# KiCad board leverless_controller_3board.kicad_pcb
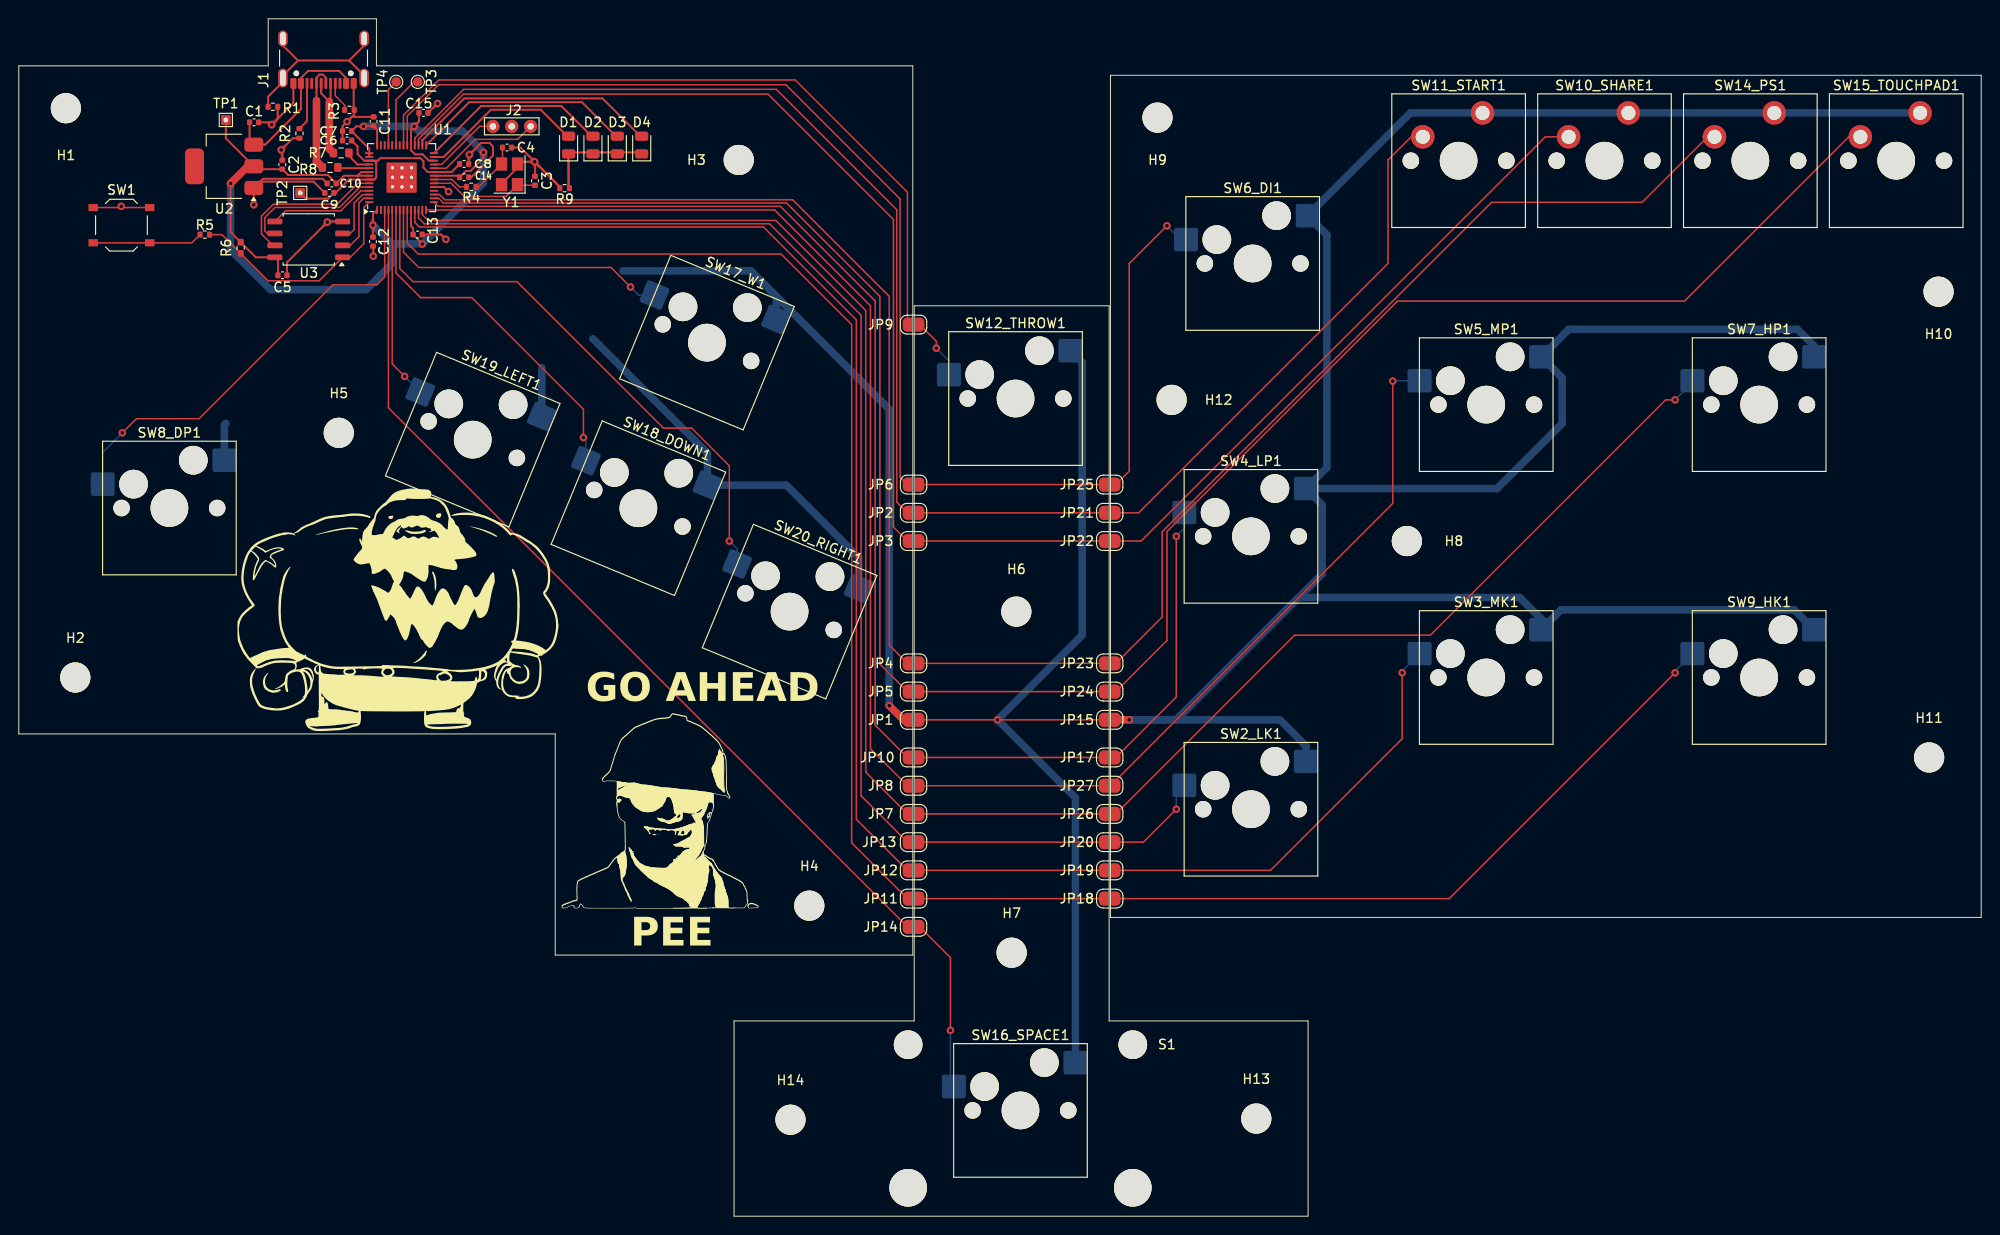
[diagram p0: board, top side]
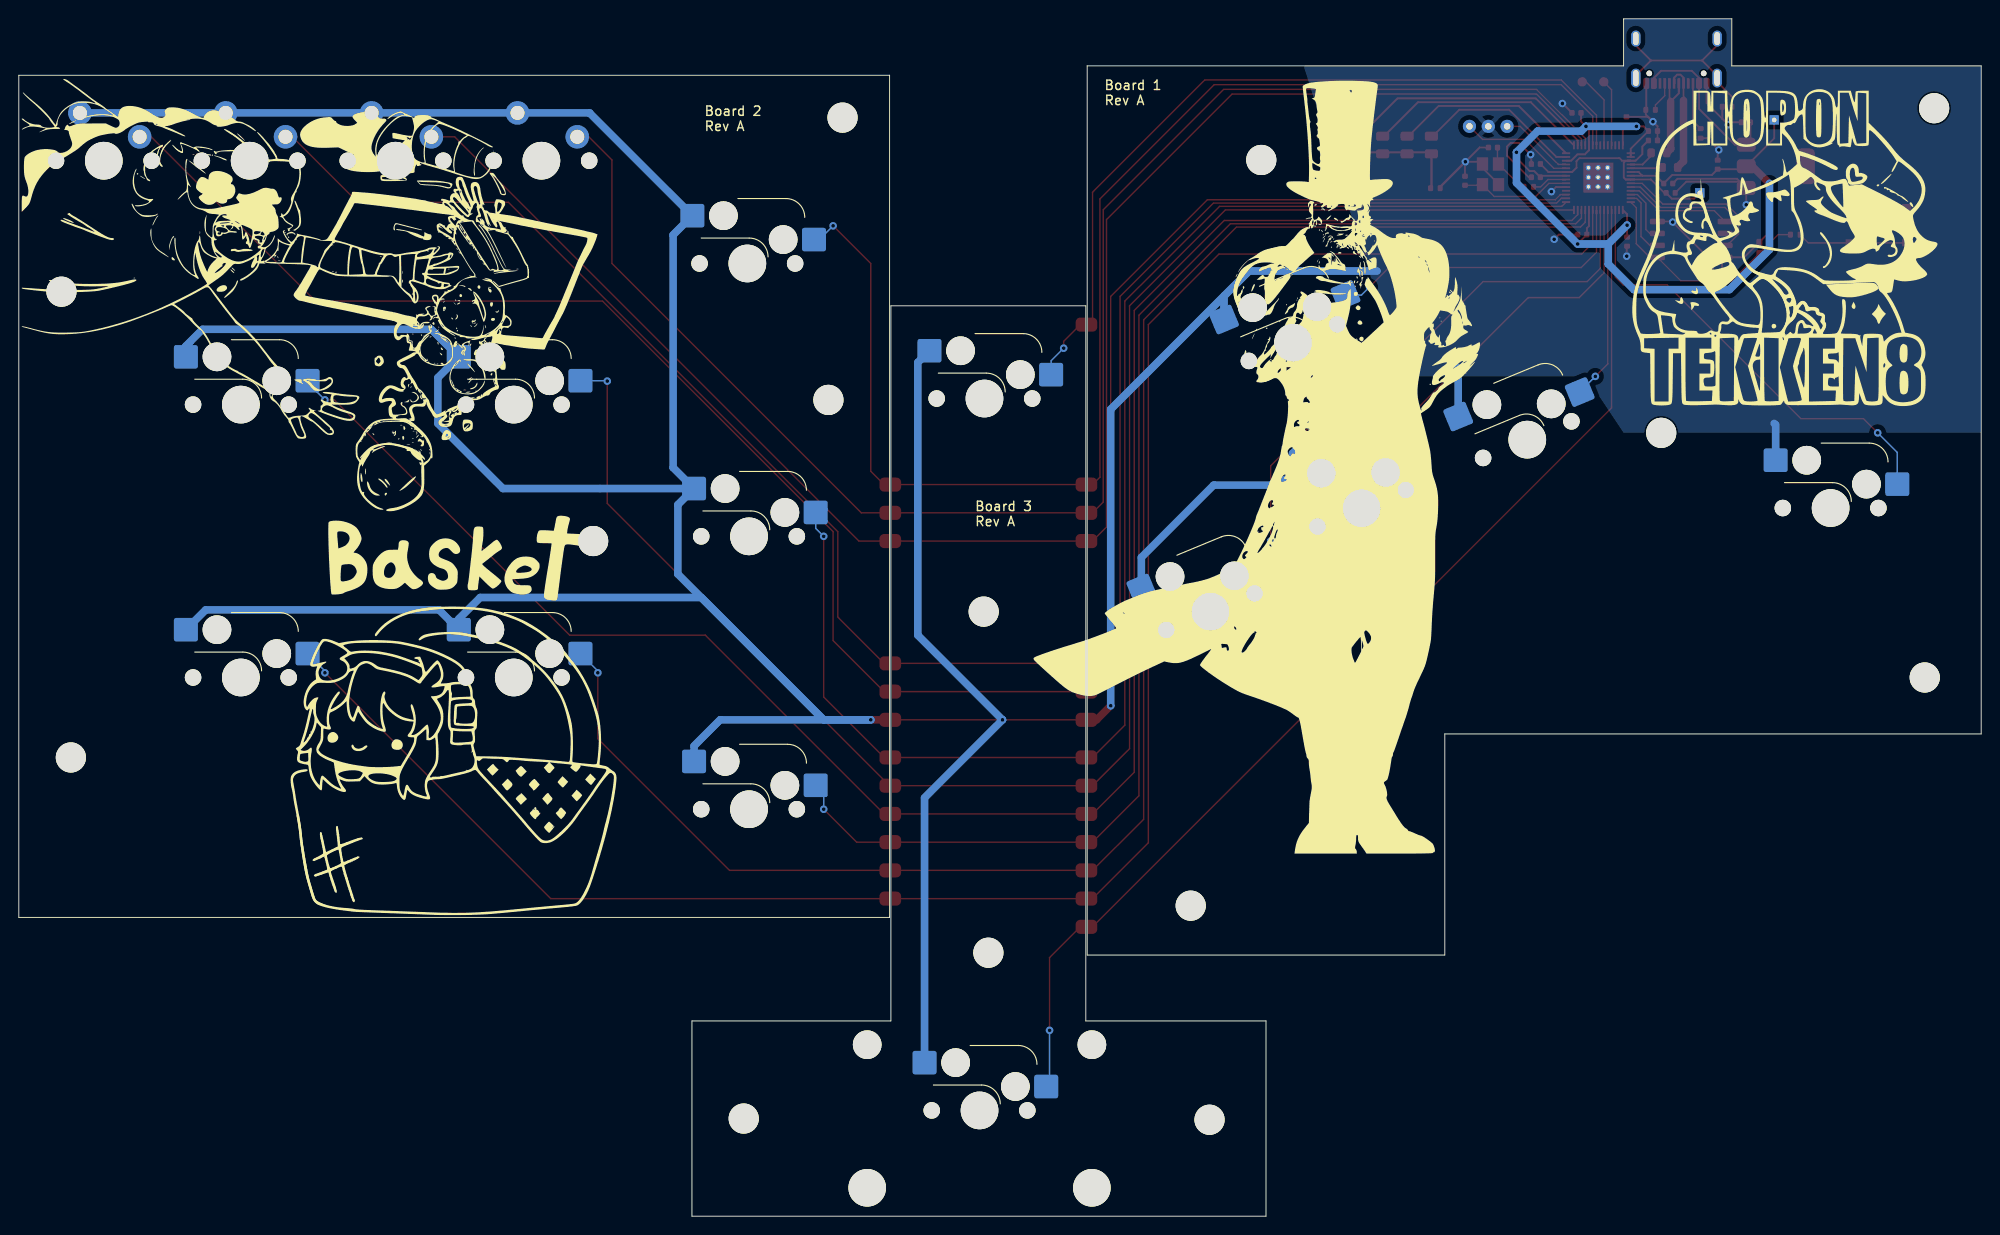
[diagram p1: board, bottom side, seen from below]

Outline 208.53 x 127.25 mm; copper layers: Top, Bottom. Coordinates in mm from the lower left corner of the outline.
Outline path: 0,122.25 0,51.25 57,51.25 57,27.75 95,27.75 95,122.25 38,122.25 38,127.25 26.5,127.25 26.5,122.25 0,122.25 ; 76,20.75 76,0 137,0 137,20.75 115.86,20.75 115.86,96.75 95.15,96.75 95.15,20.75 76,20.75 ; 116,121.25 116,31.75 208.53,31.75 208.53,121.25 116,121.25
Stack: Top 0.035mm / dielectric 1.51mm FR4 er 4.5 / Bottom 0.035mm

## Placement (name value [footprint] x y rotation side)
B1  -  [Board]  0.25 122.25 0 top
B2  -  [Board]  126 121.25 0 top
B3  -  [Board]  104.5 96.75 0 top
C1  10u  [C_0402_1005Metric]  25 116.25 0 top
C2  10u  [C_0402_1005Metric]  28 111.75 90 top
C3  15p  [C_0402_1005Metric]  54.85 110.04 270 top
C4  15p  [C_0402_1005Metric]  51.88 113.57 180 top
C5  100n  [C_0402_1005Metric]  28.02 100 0 top
C6  1u  [C_0402_1005Metric]  34.88 114.32 180 top
C7  1u  [C_0402_1005Metric]  34.88 115.32 180 top
C8  100n  [C_0402_1005Metric]  47.32 111.82 0 top
C9  100n  [C_0402_1005Metric]  33 108.75 180 top
C10  100n  [C_0402_1005Metric]  33.25 109.75 180 top
C11  100n  [C_0402_1005Metric]  37.7 116.35 90 top
C12  100n  [C_0402_1005Metric]  37.63 103.57 270 top
C13  100n  [C_0402_1005Metric]  42.38 104.32 0 top
C14  100n  [C_0402_1005Metric]  47.32 110.41 0 top
C15  100n  [C_0402_1005Metric]  43 117.25 0 top
D1  LED  [LED_0805_2012Metric]  58.42 113.84 90 top
D2  LED  [LED_0805_2012Metric]  61.01 113.84 90 top
D3  LED  [LED_0805_2012Metric]  63.6 113.84 90 top
D4  LED  [LED_0805_2012Metric]  66.19 113.84 90 top
H1  MountingHole  [MountingHole_3.2mm_M3]  5 117.75 0 top
H2  MountingHole  [MountingHole_3.2mm_M3]  6 57.25 0 top
H3  MountingHole  [MountingHole_3.2mm_M3]  76.5 112.25 180 top
H4  MountingHole  [MountingHole_3.2mm_M3]  84 33 0 top
H5  MountingHole  [MountingHole_3.2mm_M3]  34 83.25 0 top
H6  MountingHole  [MountingHole_3.2mm_M3]  106 64.25 270 top
H7  MountingHole  [MountingHole_3.2mm_M3]  105.5 28 0 top
H8  MountingHole  [MountingHole_3.2mm_M3]  147.5 71.75 0 top
H9  MountingHole  [MountingHole_3.2mm_M3]  121 116.75 0 top
H10  MountingHole  [MountingHole_3.2mm_M3]  204 98.25 0 top
H11  MountingHole  [MountingHole_3.2mm_M3]  203 48.75 0 top
H12  MountingHole  [MountingHole_3.2mm_M3]  122.5 86.75 0 top
H13  MountingHole  [MountingHole_3.2mm_M3]  131.5 10.38 0 top
H14  MountingHole  [MountingHole_3.2mm_M3]  82 10.25 0 top
J1  USB_C_Receptacle_USB2.0_14P  [USB_C_Receptacle_C6332272]  32.38 123.57 180 top
J2  Conn_01x03_Socket  [Debug_Points]  53.68 115.82 180 top
JP1  SolderJumper_2_Bridged  [EdgeSolderJumper-2_P1.3mm_Bridged_RoundedPad1.0x1.5mm]  95.08 52.75 0 top
JP2  SolderJumper_2_Bridged  [EdgeSolderJumper-2_P1.3mm_Bridged_RoundedPad1.0x1.5mm]  95.08 74.75 0 top
JP3  SolderJumper_2_Bridged  [EdgeSolderJumper-2_P1.3mm_Bridged_RoundedPad1.0x1.5mm]  95.08 71.75 0 top
JP4  SolderJumper_2_Bridged  [EdgeSolderJumper-2_P1.3mm_Bridged_RoundedPad1.0x1.5mm]  95.08 58.75 0 top
JP5  SolderJumper_2_Bridged  [EdgeSolderJumper-2_P1.3mm_Bridged_RoundedPad1.0x1.5mm]  95.08 55.75 0 top
JP6  SolderJumper_2_Bridged  [EdgeSolderJumper-2_P1.3mm_Bridged_RoundedPad1.0x1.5mm]  95.08 77.75 0 top
JP7  SolderJumper_2_Bridged  [EdgeSolderJumper-2_P1.3mm_Bridged_RoundedPad1.0x1.5mm]  95.08 42.75 0 top
JP8  SolderJumper_2_Bridged  [EdgeSolderJumper-2_P1.3mm_Bridged_RoundedPad1.0x1.5mm]  95.08 45.75 0 top
JP9  SolderJumper_2_Bridged  [EdgeSolderJumper-2_P1.3mm_Bridged_RoundedPad1.0x1.5mm]  95.08 94.75 0 top
JP10  SolderJumper_2_Bridged  [EdgeSolderJumper-2_P1.3mm_Bridged_RoundedPad1.0x1.5mm]  95.08 48.75 0 top
JP11  SolderJumper_2_Bridged  [EdgeSolderJumper-2_P1.3mm_Bridged_RoundedPad1.0x1.5mm]  95.08 33.75 0 top
JP12  SolderJumper_2_Bridged  [EdgeSolderJumper-2_P1.3mm_Bridged_RoundedPad1.0x1.5mm]  95.08 36.75 0 top
JP13  SolderJumper_2_Bridged  [EdgeSolderJumper-2_P1.3mm_Bridged_RoundedPad1.0x1.5mm]  95.08 39.75 0 top
JP14  SolderJumper_2_Bridged  [EdgeSolderJumper-2_P1.3mm_Bridged_RoundedPad1.0x1.5mm]  95.08 30.75 0 top
JP15  SolderJumper_2_Bridged  [EdgeSolderJumper-2_P1.3mm_Bridged_RoundedPad1.0x1.5mm]  115.93 52.75 0 top
JP17  SolderJumper_2_Bridged  [EdgeSolderJumper-2_P1.3mm_Bridged_RoundedPad1.0x1.5mm]  115.93 48.75 0 top
JP18  SolderJumper_2_Bridged  [EdgeSolderJumper-2_P1.3mm_Bridged_RoundedPad1.0x1.5mm]  115.93 33.75 0 top
JP19  SolderJumper_2_Bridged  [EdgeSolderJumper-2_P1.3mm_Bridged_RoundedPad1.0x1.5mm]  115.93 36.75 0 top
JP20  SolderJumper_2_Bridged  [EdgeSolderJumper-2_P1.3mm_Bridged_RoundedPad1.0x1.5mm]  115.93 39.75 0 top
JP21  SolderJumper_2_Bridged  [EdgeSolderJumper-2_P1.3mm_Bridged_RoundedPad1.0x1.5mm]  115.93 74.75 0 top
JP22  SolderJumper_2_Bridged  [EdgeSolderJumper-2_P1.3mm_Bridged_RoundedPad1.0x1.5mm]  115.93 71.75 0 top
JP23  SolderJumper_2_Bridged  [EdgeSolderJumper-2_P1.3mm_Bridged_RoundedPad1.0x1.5mm]  115.93 58.75 0 top
JP24  SolderJumper_2_Bridged  [EdgeSolderJumper-2_P1.3mm_Bridged_RoundedPad1.0x1.5mm]  115.93 55.75 0 top
JP25  SolderJumper_2_Bridged  [EdgeSolderJumper-2_P1.3mm_Bridged_RoundedPad1.0x1.5mm]  115.93 77.75 0 top
JP26  SolderJumper_2_Bridged  [EdgeSolderJumper-2_P1.3mm_Bridged_RoundedPad1.0x1.5mm]  115.93 42.75 0 top
JP27  SolderJumper_2_Bridged  [EdgeSolderJumper-2_P1.3mm_Bridged_RoundedPad1.0x1.5mm]  115.93 45.75 0 top
NOREF  -  [unnamed]  39.7 110.41 0 top
NOREF#2  -  [unnamed]  41.73 110.41 0 top
NOREF#3  -  [unnamed]  41.73 111.43 0 top
NOREF#4  -  [unnamed]  41.73 109.39 0 top
NOREF#5  -  [unnamed]  40.72 109.39 0 top
NOREF#6  -  [unnamed]  40.72 111.43 0 top
NOREF#7  -  [unnamed]  40.72 110.41 0 top
NOREF#8  -  [unnamed]  39.7 109.39 0 top
NOREF#9  -  [unnamed]  39.7 111.43 0 top
R1  1M  [R_0402_1005Metric]  27 117.9 0 top
R2  5.1K  [R_0402_1005Metric]  29.82 115.07 270 top
R3  5.1K  [R_0402_1005Metric]  35.13 117.57 0 top
R4  1K  [R_0402_1005Metric]  48.08 109.39 180 top
R5  1K  [R_0402_1005Metric]  19.76 104.31 0 top
R6  DNF  [R_0402_1005Metric_Pad0.72x0.64mm_HandSolder]  23.57 102.92 270 top  (not fitted)
R7  27  [R_0603_1608Metric]  34.25 113 0 top
R8  27  [R_0603_1608Metric]  33.08 111.45 0 top
R9  330  [R_0402_1005Metric]  58 109.25 180 top
S1  ~  [Stabilizer_Cherry_MX_2.00u]  106.44 11.24 0 top
SW1  Memory Reset  [SW_TS-1187A-C-A-B]  10.91 105.32 0 top
SW2_LK1  SW_Push  [SW_Hotswap_Kailh_MX]  130.93 43.25 0 top
SW3_MK1  SW_Push  [SW_Hotswap_Kailh_MX]  155.93 57.25 0 top
SW4_LP1  SW_Push  [SW_Hotswap_Kailh_MX]  130.93 72.25 0 top
SW5_MP1  SW_Push  [SW_Hotswap_Kailh_MX]  155.93 86.25 0 top
SW6_DI1  SW_Push  [SW_Hotswap_Kailh_MX]  131.11 101.25 0 top
SW7_HP1  SW_Push  [SW_Hotswap_Kailh_MX]  184.93 86.25 0 top
SW8_DP1  SW_Push  [SW_Hotswap_Kailh_MX]  16 75.26 0 top
SW9_HK1  SW_Push  [SW_Hotswap_Kailh_MX]  184.93 57.25 0 top
SW10_SHARE1  SW_Push  [SW_Cherry_MX_PCB]  168.5 112.17 0 top
SW11_START1  SW_Push  [SW_Cherry_MX_PCB]  153 112.17 0 top
SW12_THROW1  SW_Push  [SW_Hotswap_Kailh_MX]  105.92 86.9 0 top
SW14_PS1  SW_Push  [SW_Cherry_MX_PCB]  184 112.17 0 top
SW15_TOUCHPAD1  SW_Push  [SW_Cherry_MX_PCB]  199.5 112.17 0 top
SW16_SPACE1  SW_Push  [SW_Hotswap_Kailh_MX]  106.44 11.24 0 top
SW17_W1  SW_Push  [SW_Hotswap_Kailh_MX_1.00u]  73.12 92.84 337.5 top
SW18_DOWN1  SW_Push  [SW_Hotswap_Kailh_MX_1.00u]  65.83 75.24 337.5 top
SW19_LEFT1  SW_Push  [SW_Hotswap_Kailh_MX_1.00u]  48.23 82.53 337.5 top
SW20_RIGHT1  SW_Push  [SW_Hotswap_Kailh_MX_1.00u]  81.9 64.25 337.5 top
TP1  TestPoint  [TestPoint_THTPad_1.0x1.0mm_Drill0.5mm]  22 116.5 0 top
TP2  TestPoint  [TestPoint_THTPad_1.0x1.0mm_Drill0.5mm]  29.9 108.75 0 top
TP3  TestPoint  [TestPoint_Pad_D1.0mm]  42.4 120.55 270 top
TP4  TestPoint  [TestPoint_Pad_D1.0mm]  40.1 120.55 90 top
U1  RP2040  [QFN-56-1EP_7x7mm_P0.4mm_EP3.2x3.2mm]  40.68 110.37 90 top
U2  AMS1117-3.3_SOT223  [LDO_AMS1117-3.3]  21.82 111.57 180 top
U3  W25Q128JVSIQ  [SOIC-8_5.23x5.23mm_P1.27mm]  30.81 103.81 180 top
Y1  12 mhz crystal  [Crystal_SMD_3225-4Pin_3.2x2.5mm]  52.15 110.72 90 top

## Library data of the parts
C1 C2 = -: LCSC: C15525; ki_fp_filters: C_*
C3 C4 = -: LCSC: C1548; ki_fp_filters: C_*
C5 C8-C15 = -: LCSC: C1525; ki_fp_filters: C_*
C6 C7 = -: LCSC: C52923; ki_fp_filters: C_*
D1-D4 = -: Description: Light emitting diode; ki_fp_filters: LED* LED_SMD:* LED_THT:*
H1-H14 = -: Description: Mounting Hole without connection; ki_fp_filters: MountingHole*
J1 = -: Datasheet: https://www.usb.org/sites/default/files/documents/usb_type-c.zip; Description: USB 2.0-only 16P Type-C Receptacle connector; LCSC: C6332272; ki_fp_filters: USB*C*Receptacle*
J2 = -: ki_fp_filters: Connector*:*_1x??_*
JP1-JP15 JP17-JP27 = -: Description: Solder Jumper, 2-pole, closed/bridged; ki_fp_filters: SolderJumper*Bridged*
R1 = -: LCSC: C26083; ki_fp_filters: R_*
R2 R3 = -: LCSC: C25905; ki_fp_filters: R_*
R4 R5 = -: LCSC: C11702; ki_fp_filters: R_*
R6 = -: ki_fp_filters: R_*
R7 R8 = -: LCSC: C25190; ki_fp_filters: R_*
R9 = -: Description: Resistor; LCSC: C25104; ki_fp_filters: R_*
SW1 = -: Description: Push button switch, generic, two pins; LCSC: C318884
TP1-TP4 = -: Description: test point; ki_fp_filters: Pin* Test*
U1 = -: Datasheet: https://datasheets.raspberrypi.com/rp2040/rp2040-datasheet.pdf; LCSC: C2040; ki_fp_filters: QFN*1EP*7x7mm?P0.4mm*
U2 = -: Datasheet: http://www.onsemi.com/pub_link/Collateral/NCP1117-D.PDF; LCSC: C6186; ki_fp_filters: SOT?223*TabPin2*
U3 = -: Datasheet: http://www.winbond.com/resource-files/w25q32jv%20revg%2003272018%20plus.pdf; LCSC: C97521; ki_fp_filters: SOIC*5.23x5.23mm*P1.27mm*
Y1 = -: LCSC: C9002; ki_fp_filters: Crystal*

## Footprints (pads in the part's own frame, mm; a bottom-side part is the same pattern mirrored in y, then rotated)
C_0402_1005Metric
  rrect 0.56x0.62 smd: 1(-0.48,0) 2(0.48,0)
Crystal_SMD_3225-4Pin_3.2x2.5mm
  rect 1.4x1.2 smd: 1(-1.1,-0.85) 2(1.1,-0.85) 3(1.1,0.85) 4(-1.1,0.85)
Debug_Points
  round 1.4 hole 0.7: 1(-0.7,0) 2(1.3,0) 3(3.3,0)
EdgeSolderJumper-2_P1.3mm_Bridged_RoundedPad1.0x1.5mm
  custom 1x1.5 smd: 1(-0.65,0) 2(0.65,0)
LDO_AMS1117-3.3
  rrect 2x3.8 smd: (3.15,0)
  rrect 2x1.5 smd: 1(-3.15,2.3) 2(-3.15,0) 3(-3.15,-2.3)
LED_0805_2012Metric
  rrect 0.975x1.4 smd: 1(-0.938,0) 2(0.938,0)
MountingHole_3.2mm_M3
  round 3.2 hole 3.2 unplated: (0,0)
QFN-56-1EP_7x7mm_P0.4mm_EP3.2x3.2mm
  rrect 1.29x1.29 smd: (-0.8,0.8) (-0.8,-0.8) (0.8,0.8) (0.8,-0.8)
  rrect 0.875x0.2 smd: 1(-3.438,2.6) 2(-3.438,2.2) 3(-3.438,1.8) 4(-3.438,1.4) 5(-3.438,1) 6(-3.438,0.6) 7(-3.438,0.2) 8(-3.438,-0.2) 9(-3.438,-0.6) 10(-3.438,-1) 11(-3.438,-1.4) 12(-3.438,-1.8) 13(-3.438,-2.2) 14(-3.438,-2.6) 29(3.438,-2.6) 30(3.438,-2.2) 31(3.438,-1.8) 32(3.438,-1.4) 33(3.438,-1) 34(3.438,-0.6) 35(3.438,-0.2) 36(3.438,0.2) 37(3.438,0.6) 38(3.438,1) 39(3.438,1.4) 40(3.438,1.8) 41(3.438,2.2) 42(3.438,2.6)
  rrect 0.2x0.875 smd: 15(-2.6,-3.438) 16(-2.2,-3.438) 17(-1.8,-3.438) 18(-1.4,-3.438) 19(-1,-3.438) 20(-0.6,-3.438) 21(-0.2,-3.438) 22(0.2,-3.438) 23(0.6,-3.438) 24(1,-3.438) 25(1.4,-3.438) 26(1.8,-3.438) 27(2.2,-3.438) 28(2.6,-3.438) 43(2.6,3.438) 44(2.2,3.438) 45(1.8,3.438) 46(1.4,3.438) 47(1,3.438) 48(0.6,3.438) 49(0.2,3.438) 50(-0.2,3.438) 51(-0.6,3.438) 52(-1,3.438) 53(-1.4,3.438) 54(-1.8,3.438) 55(-2.2,3.438) 56(-2.6,3.438)
  rect 3.2x3.2 smd: 57(0,0)
R_0402_1005Metric
  rrect 0.54x0.64 smd: 1(-0.51,0) 2(0.51,0)
R_0402_1005Metric_Pad0.72x0.64mm_HandSolder
  rrect 0.715x0.64 smd: 1(-0.598,0) 2(0.598,0)
R_0603_1608Metric
  rrect 0.8x0.95 smd: 1(-0.825,0) 2(0.825,0)
SOIC-8_5.23x5.23mm_P1.27mm
  rrect 1.6x0.6 smd: 1(-3.6,1.905) 2(-3.6,0.635) 3(-3.6,-0.635) 4(-3.6,-1.905) 5(3.6,-1.905) 6(3.6,-0.635) 7(3.6,0.635) 8(3.6,1.905)
Stabilizer_Cherry_MX_2.00u
  round 3.048 hole 3.048 unplated: (-11.938,6.985) (11.938,6.985)
  round 3.988 hole 3.988 unplated: (-11.938,-8.225) (11.938,-8.225)
SW_Cherry_MX_PCB
  round 1.75 hole 1.75 unplated: (-5.08,0) (5.08,0)
  round 4 hole 4 unplated: (0,0)
  round 2.5 hole 1.5: 1(-3.81,2.54) 2(2.54,5.08)
SW_Hotswap_Kailh_MX
  round 1.75 hole 1.75 unplated: (-5.08,0) (5.08,0)
  round 3.05 hole 3.05 unplated: (-3.81,2.54) (2.54,5.08)
  round 4 hole 4 unplated: (0,0)
  rrect 2.55x2.5 smd far side: 1(-7.085,2.54) 2(5.842,5.08)
SW_Hotswap_Kailh_MX_1.00u
  round 1.75 hole 1.75 unplated: (-5.08,0) (5.08,0)
  round 3.05 hole 3.05 unplated: (-3.81,2.54) (2.54,5.08)
  round 4 hole 4 unplated: (0,0)
  rrect 2.55x2.5 smd far side: 1(-7.085,2.54) 2(5.842,5.08)
SW_TS-1187A-C-A-B
  rect 1x0.75 smd: 1(-3,1.875) 1(3,1.875) 2(-3,-1.875) 2(3,-1.875)
TestPoint_Pad_D1.0mm
  round 1 smd: 1(0,0)
TestPoint_THTPad_1.0x1.0mm_Drill0.5mm
  rect 1x1 hole 0.5: 1(0,0)
unnamed
  round 0.6 hole 0.35: 57(0,0)
USB_C_Receptacle_C6332272
  round 0.6 hole 0.6 unplated: (-2.89,2.115) (2.89,2.115)
  rrect 0.6x1.14 smd: A1(-3.2,3.185) A4(-2.4,3.185) A9(2.4,3.185) A12(3.2,3.185) B1(3.2,3.185) B4(2.4,3.185) B9(-2.4,3.185) B12(-3.2,3.185)
  rrect 0.3x1.14 smd: A5(-1.25,3.185) A6(-0.25,3.185) A7(0.25,3.185) A8(1.25,3.185) B5(1.75,3.185) B6(0.75,3.185) B7(-0.75,3.185) B8(-1.75,3.185)
  oval 1x2 hole 0.6x1.7: S1(-4.32,2.615) S1(4.32,2.615)
  oval 1x1.7 hole 0.6x1.4: S1(-4.32,-1.58) S1(4.32,-1.58)

## Nets
+1V1: C6.1 C8.1 C9.1 TP2.1 U1.23 U1.45 U1.50
+3.3V: C2.1 C5.1 C7.1 C10.1 C11.1 C12.1 C13.1 C14.1 C15.1 R6.1 TP1.1 U1.1 U1.10 U1.22 U1.26 U1.33 U1.42 U1.43 U1.44 U1.48 U1.49 U2.2 U3.8
GND: C1.2 C2.2 C3.1 C4.1 C5.2 C6.2 C7.2 C8.2 C9.2 C10.2 C11.2 C12.2 C13.2 C14.2 C15.2 J1.A1 J1.A12 J1.B1 J1.B12 J2.2 JP1.1 JP1.2 JP15.1 JP15.2 NOREF.57 NOREF#2.57 NOREF#3.57 NOREF#4.57 NOREF#5.57 NOREF#6.57 NOREF#7.57 NOREF#8.57 NOREF#9.57 R1.2 R2.2 R3.2 R9.2 SW1.1 SW2_LK1.2 SW3_MK1.2 SW4_LP1.2 SW5_MP1.2 SW6_DI1.2 SW7_HP1.2 SW8_DP1.2 SW9_HK1.2 SW10_SHARE1.2 SW11_START1.2 SW12_THROW1.2 SW14_PS1.2 SW15_TOUCHPAD1.2 SW16_SPACE1.2 SW17_W1.2 SW18_DOWN1.2 SW19_LEFT1.2 SW20_RIGHT1.2 U1.19 U1.57 U2.1 U3.4 Y1.2 Y1.4
VBUS: C1.1 J1.A4 J1.A9 J1.B4 J1.B9 U2.3
/Buttons/A1: JP23.2 SW14_PS1.1
/Buttons/A2: JP24.2 SW15_TOUCHPAD1.1
/Buttons/B1: JP20.2 SW2_LK1.1
/Buttons/B2: JP19.2 SW3_MK1.1
/Buttons/B3: JP17.2 SW4_LP1.1
/Buttons/B4: JP27.2 SW5_MP1.1
/Buttons/L1: JP25.2 SW6_DI1.1
/Buttons/L3: JP9.2 SW12_THROW1.1
/Buttons/R1: JP26.2 SW7_HP1.1
/Buttons/R2: JP18.2 SW9_HK1.1
/Buttons/S1: JP22.2 SW10_SHARE1.1
/Buttons/S2: JP21.2 SW11_START1.1
/Buttons/SPACE: JP14.2 SW16_SPACE1.1
/Main/A1: JP4.1 U1.17
/Main/A2: JP5.1 U1.16
/Main/B1: JP13.1 U1.12
/Main/B2: JP12.1 U1.11
/Main/B3: JP10.1 U1.15
/Main/B4: JP8.1 U1.14
/Main/D+: J1.A6 J1.B6 R8.1
/Main/D-: J1.A7 J1.B7 R7.1
/Main/L1: JP6.1 U1.34
/Main/L3: JP9.1 U1.35
/Main/P1: D1.2 U1.27
/Main/P2: D2.2 U1.28
/Main/P3: D3.2 U1.29
/Main/P4: D4.2 U1.30
/Main/QSPI_SCLK: U1.52 U3.6
/Main/QSPI_SD0: U1.53 U3.5
/Main/QSPI_SD1: U1.55 U3.2
/Main/QSPI_SD2: U1.54 U3.3
/Main/QSPI_SD3: U1.51 U3.7
/Main/QSPI_SS: R5.2 R6.2 U1.56 U3.1
/Main/R1: JP7.1 U1.13
/Main/R2: JP11.1 U1.9
/Main/S1: JP3.1 U1.31
/Main/S2: JP2.1 U1.32
/Main/SPACE: JP14.1 U1.4
/Main/SWCLK: J2.1 U1.24
/Main/SWDIO: J2.3 U1.25
/Main/XIN: C3.2 U1.20 Y1.1
/Main/XOUT: R4.2 U1.21
DOWN: SW18_DOWN1.1 U1.6
L2: SW8_DP1.1 U1.3
LEFT: SW19_LEFT1.1 U1.5
RIGHT: SW20_RIGHT1.1 U1.7
W: SW17_W1.1 U1.8
Net-(C4-Pad2): C4.2 R4.1 Y1.3
Net-(D1-K): D1.1 D2.1 D3.1 D4.1 R9.1
Net-(J1-CC1): J1.A5 R3.1
Net-(J1-CC2): J1.B5 R2.1
Net-(J1-SHIELD): J1.S1 R1.1
Net-(JP2-B): JP2.2 JP21.1
Net-(JP10-B): JP10.2 JP17.1
Net-(JP11-B): JP11.2 JP18.1
Net-(JP12-B): JP12.2 JP19.1
Net-(JP13-B): JP13.2 JP20.1
Net-(JP22-A): JP3.2 JP22.1
Net-(JP23-A): JP4.2 JP23.1
Net-(JP24-A): JP5.2 JP24.1
Net-(JP25-A): JP6.2 JP25.1
Net-(JP26-A): JP7.2 JP26.1
Net-(JP27-A): JP8.2 JP27.1
Net-(R5-Pad1): R5.1 SW1.2
Net-(U1-GPIO25): TP3.1 U1.37
Net-(U1-GPIO27_ADC1): TP4.1 U1.39
Net-(U1-USB_DM): R7.2 U1.46
Net-(U1-USB_DP): R8.2 U1.47

Pads without a net: J1 A8 B8; U1 2 18 36 38 40 41

## Via types
v1: diameter 0.8, hole 0.4, Top to Bottom, 35 vias

## Routing (per net, layer and track width the routed paths; a pad name or vN(x,y) marks a point on that pad's centre or on a via; arc(x,y) is an arc through that point)
+1V1: length 26
  Top w0.2: TP2.1 30.51,108.14 32.87,108.14 C9.1 33.67,108.75 35.09,110.17 U1.50 37.77,110.17 37.98,110.38 37.98,111.97 37.77,112.17 U1.45 ; U1.45 36.71,112.17 36,112.88 36,113.68 C6.1 ; U1.45 38.16,112.17 38.43,112.44 42.68,112.44 43,112.12 43,111.43 43.46,110.97 U1.23 45.99,110.97 C8.1
+3.3V: length 129.3
  Top w0.2: U2.2 22,114.54 TP1.1 ; U2.2 25.09,111.45 ; U2.2 25.33,111.57 25.63,111.27 C2.1 28.62,110.65 32.83,110.65 C10.1 34.55,110.57 36,110.57 ; 37.86,104.05 37.63,104.28 v1(37.63,105.32) 37.63,106.49 U1.1 ; C15.1 42.52,116.34 v1(42,115.82) 41.68,115.5 U1.33 41.68,113.28 42.11,112.84 42.91,112.84 43.58,112.17 U1.26 ; U1.42 38.08,115.47 37.7,115.85 C11.1 36.68,115.87 v1(36.63,115.82) 35.86,115.82 C7.1 37.24,113.44 U1.44 U1.43 ; 36,110.57 U1.49 ; 36,110.57 36.4,110.97 U1.48 ; v1(22.5,109.75) 22.5,104.59 R6.1 25.18,101.9 27.21,101.9 27.54,101.58 C5.1 ; v1(49.38,113.07) 49.38,112.46 47.99,111.07 47.5,111.07 C14.1 46.68,110.57 U1.22 ; v1(42.88,103.32) 42.88,103.34 C13.1 41.9,105 41.68,105.22 U1.10
  Top w0.3: 25.2,111.34 U2.2
  Top w0.8: U2.2 24.32,111.57 v1(22.5,109.75)
  Bottom w0.8: 39.63,103.32 39.63,101.2 36.91,98.47 26.75,98.47 22.5,102.72 v1(22.5,109.75) ; 39.63,103.32 v1(42.88,103.32) 49.38,109.82 v1(49.38,113.07) 47.13,115.32 42.5,115.32 v1(42,115.82) v1(36.63,115.82) ; 39.63,103.32 v1(37.63,105.32)
GND: length 621.2
  Top w0.15: JP1.2 JP15.1 ; SW1.1 10.76,107.19 v1(10.88,107.32) 11.01,107.19 SW1.1
  Top w0.2: 35.58,119.85 35.58,117.88 35.64,117.82 ; v1(44.5,118.25) 44.48,118.25 C15.2 ; C14.2 48.08,110.41 50.38,112.71 50.38,113.69 50.01,114.06 49.12,114.06 v1(47.88,112.82) 47.8,112.74 C8.2 ; C12.2 37.67,103.05 v1(37.67,102.03) ; v1(24.97,107.49) 24.97,109.27 U2.1 ; C13.2 44.88,104.32 v1(45.38,103.82) ; C11.2 35.39,116.83 v1(34.88,116.32) ; 51.3,109.52 Y1.4 51.3,109.72 53,111.42 Y1.2 53.24,112.06 v1(54.81,112.06) ; U2.1 25.95,110.25 32.27,110.25 C10.2 ; U2.1 25.65,109.95 31.32,109.95 C9.2 ; v1(26.87,116) 26.62,116.25 C1.2 ; v1(26.87,116) 27.51,116.64 R1.2 ; v1(26.87,116) 29.18,118.31 29.18,119.85 ; v1(54.81,112.06) 54.85,112.02 C3.1 ; v1(54.81,112.06) 53.3,113.57 C4.1 ; U1.19 45.18,109.37 v1(45.67,108.89) ; R3.2 35.64,117.08 v1(34.88,116.32) ; C2.2 28,113.2 v1(27.88,113.32) 29.12,114.56 R2.2 ; v1(34.88,116.32) 34.4,115.84 C7.2 C6.2 ; C5.2 28.5,101.37 v1(32.78,105.65) 32.84,105.71 U3.4
  Top w0.25: v1(54.81,112.06) 57.49,109.38 R9.2
  Top w0.8: U1.57 40.64,110.41 NOREF#7.57 40.72,110.33 ; v1(118,52.75) JP15.2 ; v1(92.5,54.25) 94,52.75 JP1.1
  Bottom w0.8: 61,93.25 73.18,81.07 SW18_DOWN1.2 81.56,77.69 89.25,70 SW20_RIGHT1.2 ; 123,52.75 v1(118,52.75) 134,52.75 136.78,49.97 SW2_LK1.2 ; 123,52.75 138.5,68.25 138.5,75.61 SW4_LP1.2 ; 123,52.75 136,65.75 159.5,65.75 161.78,63.47 SW3_MK1.2 163.88,64.44 188.67,64.44 SW9_HK1.2 ; SW17_W1.2 80.47,97.78 77.8,100.45 ; SW12_THROW1.2 113,90.73 113,61.75 v1(104,52.75) 112.28,44.47 SW16_SPACE1.2 ; 77.8,100.45 64.2,100.45 ; 77.8,100.45 92.5,85.75 v1(92.5,54.25) ; SW19_LEFT1.2 55.58,90.17 ; SW15_TOUCHPAD1.2 SW11_START1.2 147.88,117.25 SW6_DI1.2 139,104.29 139,79.55 SW4_LP1.2 ; SW7_HP1.2 190.78,92.47 189,94.25 164.7,94.25 SW5_MP1.2 164,89.11 164,84.25 157.08,77.33 SW4_LP1.2 ; 22,84.25 21.84,84.09 SW8_DP1.2
VBUS: length 19.4
  Top w0.2: 29.98,120.39 29.98,119.94 ; U2.3 24.52,114.32 C1.1 ; U2.3 25.3,114.2 ; U2.3 26.17,113.87 29.98,117.68 29.98,119.85 ; J1.A4 34.78,120.97 34.03,121.72 30.75,121.72 29.98,120.95 J1.A9 ; 34.78,119.94 34.78,120.5
/Buttons/A1: length 93.3
  Top w0.15: JP23.2 121.5,63.67 121.5,72.74 156.51,107.75 172.5,107.75 179.46,114.71 SW14_PS1.1 178.96,114.71
/Buttons/A2: length 110.3
  Top w0.15: SW15_TOUCHPAD1.1 194.46,114.71 177,97.25 146.5,97.25 122,72.75 122,61.17 JP24.2
/Buttons/B1: length 10.8
  Top w0.15: v1(123,43.25) 119.5,39.75 JP20.2
  Bottom w0.15: SW2_LK1.1 123,44.94 v1(123,43.25)
/Buttons/B2: length 46
  Top w0.15: v1(147,57.75) 147,50.75 133,36.75 JP19.2
  Bottom w0.15: v1(147,57.75) 147,57.94 SW3_MK1.1
/Buttons/B3: length 29.1
  Top w0.15: v1(123,72.25) 123,55.17 JP17.2
  Bottom w0.15: SW4_LP1.1 123.85,73.1 v1(123,72.25)
/Buttons/B4: length 58
  Top w0.15: JP27.2 116.57,46.33 146,75.75 v1(146,88.75)
  Bottom w0.15: SW5_MP1.1 146.04,88.79
/Buttons/L1: length 32.4
  Top w0.15: JP25.2 118,79.17 118,101.25 v1(122,105.25)
  Bottom w0.15: v1(122,105.25) 123.46,103.79 SW6_DI1.1
/Buttons/L3: length 6.6
  Top w0.15: JP9.2 97.5,92.98 v1(97.5,92.25)
  Bottom w0.15: v1(97.5,92.25) 98.83,90.92 SW12_THROW1.1
/Buttons/R1: length 81.1
  Top w0.15: v1(176,86.75) 175,86.75 150,61.75 135.57,61.75 JP26.2
  Bottom w0.15: 177.85,89.4 SW7_HP1.1 177.85,88.6 v1(176,86.75)
/Buttons/R2: length 72.2
  Top w0.15: v1(176,57.75) 152,33.75 JP18.2
  Bottom w0.15: SW9_HK1.1 176,57.94 v1(176,57.75)
/Buttons/S1: length 65.9
  Top w0.15: JP22.2 119.26,71.75 162.22,114.71 SW10_SHARE1.1
/Buttons/S2: length 55.6
  Top w0.15: JP21.2 119,74.75 145.5,101.25 145.5,112.25 147.96,114.71 SW11_START1.1
/Buttons/SPACE: length 18.5
  Top w0.15: JP14.2 99,27.48 v1(99,19.75)
  Bottom w0.15: v1(99,19.75) 99,14.13 SW16_SPACE1.1
/Main/A1: length 92.7
  Top w0.15: JP4.1 92.5,60.68 92.5,97.75 82.23,108.02 45.26,108.02 44.71,108.57 U1.17
/Main/A2: length 94.9
  Top w0.15: U1.16 44.61,108.17 45.12,107.67 81.58,107.67 91.5,97.75 91.5,58.68 JP5.1
/Main/B1: length 110.2
  Top w0.15: U1.12 42.48,106.08 43.09,105.47 79.78,105.47 89.5,95.75 89.5,44.68 JP13.1
/Main/B2: length 113.3
  Top w0.15: U1.11 42.08,105.62 42.58,105.12 79.13,105.12 89,95.25 89,42.18 JP12.1
/Main/B3: length 101.2
  Top w0.15: JP10.1 91,52.18 91,97.25 80.93,107.32 44.57,107.32 U1.15
/Main/B4: length 104.1
  Top w0.15: JP8.1 90.5,49.68 90.5,96.75 80.32,106.93 U1.14
/Main/D+: length 11.6
  Top w0.2: 31.63,118.57 31.63,121 31.95,121.32 32.31,121.32 32.63,121 32.63,120.37
  Top w0.8: 31.63,118.57 31.63,112.12 32.25,111.5
/Main/D-: length 10.4
  Top w0.2: 33.13,120.37 33.13,118.47 32.99,118.47 32.13,119.33 32.13,119.94 ; 32.13,119.47 32.13,120.37
  Top w0.8: R7.1 32.99,113.43 32.99,118.47
/Main/L1: length 92.6
  Top w0.15: U1.34 41.28,116.91 44.62,120.25 81.5,120.25 93.64,108.11 93.64,78.54 JP6.1
/Main/L3: length 77.3
  Top w0.15: U1.35 40.88,117 44.62,120.75 82.5,120.75 94.43,108.82 JP9.1
/Main/P1: length 17.6
  Top w0.2: U1.27 45.14,112.57 50.16,117.59 55.46,117.59 58.42,114.62
/Main/P2: length 20.4
  Top w0.2: U1.28 49.13,117.99 57.65,117.99 61.01,114.62
/Main/P3: length 23.8
  Top w0.2: U1.29 47.86,118.39 59.84,118.39 63.6,114.62
/Main/P4: length 27.4
  Top w0.2: U1.30 42.88,114.34 47.32,118.79 62.03,118.79 66.19,114.62
/Main/QSPI_SCLK: length 15
  Top w0.15: 27.21,104.44 26.41,104.44 26.14,104.72 26.14,106.12 27.22,107.2 34.08,107.2 36.24,109.37 U1.52
/Main/QSPI_SD0: length 11.4
  Top w0.15: U1.53 36.34,108.97 34.22,106.85 28.35,106.85 U3.5
/Main/QSPI_SD1: length 7
  Top w0.15: U3.2 35.21,103.17 36.14,104.11 36.14,107.69 36.63,108.17 U1.55
/Main/QSPI_SD2: length 6.2
  Top w0.15: 34.41,104.44 35.21,104.44 35.63,104.86 35.63,107.67 36.53,108.57 U1.54
/Main/QSPI_SD3: length 16.7
  Top w0.15: U1.51 36.04,109.77 33.82,107.55 27.06,107.55 25.78,106.27 25.78,104.39 27,103.17 U3.7
/Main/QSPI_SS: length 24.7
  Top w0.15: R5.2 21.58,104.31 R6.2 26.48,99.41 31.92,99.41 34.41,101.9 35.21,101.9 36.65,103.34 36.65,107.18 U1.56
/Main/R1: length 107.2
  Top w0.15: JP7.1 90,47.18 90,96.25 80.43,105.82 43.49,105.82 42.88,106.44 U1.13
/Main/R2: length 117.8
  Top w0.15: JP11.1 88.5,39.68 88.5,94.75 81,102.25 42.45,102.25 41.28,103.42 U1.9
/Main/S1: length 93.4
  Top w0.15: U1.31 42.48,114.47 47.25,119.25 79.61,119.25 92.94,105.92 92.94,73.24 JP3.1
/Main/S2: length 92.1
  Top w0.15: JP2.1 93.29,75.89 93.29,106.96 80.5,119.75 47.26,119.75 42.08,114.57 U1.32
/Main/SPACE: length 99.1
  Top w0.15: 39.28,86 U1.4 ; 39.28,86 39.28,85.97 ; 39.28,86 39.28,85.9 JP14.1
/Main/SWCLK: length 12.1
  Top w0.15: U1.24 45.43,111.37 48.5,114.44 53,114.44 J2.1
/Main/SWDIO: length 7.9
  Top w0.15: J2.3 48.97,115.82 44.92,111.77 U1.25
/Main/XIN: length 11.9
  Top w0.15: U1.20 45.94,109.77 47.34,108.37 51.75,108.37 Y1.1 53.18,109.62 53.24,109.56 C3.2
/Main/XOUT: length 3.8
  Top w0.15: U1.21 46.03,110.17 46.81,109.39 R4.2
DOWN: length 38.2
  Top w0.15: v1(60,82.75) 60,85.75 48.13,97.62 42.7,97.62 40.08,100.24 U1.6
  Bottom w0.15: SW18_DOWN1.1 60.26,82.49 v1(60,82.75)
L2: length 48.2
  Top w0.15: v1(11,83.25) 12.5,84.75 19.14,84.75 33.37,98.98 38.04,98.98 38.88,99.82 U1.3
  Bottom w0.15: v1(11,83.25) 8.91,81.17 SW8_DP1.1
LEFT: length 20.6
  Top w0.15: v1(41,89.25) 39.68,90.57 U1.5
  Bottom w0.15: SW19_LEFT1.1 41,89.24 v1(41,89.25)
RIGHT: length 60.7
  Top w0.15: U1.7 40.48,100.72 41.88,99.32 52.93,99.32 68.5,83.75 71.5,83.75 75.5,79.75 v1(75.5,71.75)
  Bottom w0.15: v1(75.5,71.75) 76.33,70.92 SW20_RIGHT1.1
W: length 33.1
  Top w0.15: U1.8 40.88,102.44 42.5,100.82 62.93,100.82 v1(65,98.75)
  Bottom w0.15: v1(65,98.75) 65.86,97.89 SW17_W1.1
Net-(C4-Pad2): length 5.3
  Top w0.15: R4.1 48.87,109.39 Y1.3 51.4,111.92 51.4,113.32
Net-(D1-K): length 11.4
  Top w0.2: 58.42,113.05 66.19,113.05
  Top w0.25: 58.42,112.81 58.42,109.34 R9.1
Net-(J1-CC1): length 2.7
  Top w0.15: R3.1 34.62,118.08 33.63,119.07 33.63,119.85
Net-(J1-CC2): length 4.6
  Top w0.2: R2.1 30.63,116.39 30.63,119.85
Net-(J1-SHIELD): length 19.8
  Top w0.2: 36.7,120.97 36.7,121.22 35.1,122.82 ; R1.1 26.49,118.98 28.06,120.56 ; 29.66,122.82 28.06,124.42 J1.S1 ; 29.66,122.82 35.1,122.82 ; 29.66,122.82 28.06,121.22 28.06,120.97 ; 35.1,122.82 36.7,124.42 J1.S1
Net-(JP2-B): length 19.5
  Top w0.15: JP21.1 JP2.2
Net-(JP10-B): length 19.5
  Top w0.15: JP17.1 JP10.2
Net-(JP11-B): length 19.5
  Top w0.15: JP11.2 JP18.1
Net-(JP12-B): length 19.5
  Top w0.15: JP19.1 JP12.2
Net-(JP13-B): length 19.5
  Top w0.15: JP13.2 JP20.1
Net-(JP22-A): length 19.5
  Top w0.15: JP3.2 JP22.1
Net-(JP23-A): length 19.5
  Top w0.15: JP23.1 JP4.2
Net-(JP24-A): length 19.5
  Top w0.15: JP24.1 JP5.2
Net-(JP25-A): length 19.5
  Top w0.15: JP6.2 JP25.1
Net-(JP26-A): length 19.5
  Top w0.15: JP26.1 JP7.2
Net-(JP27-A): length 19.5
  Top w0.15: JP8.2 JP27.1
Net-(R5-Pad1): length 11.7
  Top w0.15: 19.24,104.32 R5.1 18.38,103.44 SW1.2 SW1.2
Net-(U1-GPIO25): length 7.9
  Top w0.15: TP3.1 42,120.55 40.08,118.63 U1.37
Net-(U1-GPIO27_ADC1): length 7.1
  Top w0.15: U1.39 39.28,119.73 TP4.1
Net-(U1-USB_DM): length 2.6
  Top w0.2: U1.46 35.99,111.77 35.01,112.75
Net-(U1-USB_DP): length 3.6
  Top w0.2: U1.47 33.98,111.37 R8.2 ; 34.03,111.37 33.9,111.5

## Copper pours and planes (outline as drawn; the poured copper is in the pictures)
GND on Bottom: 26.5,127.25 26.5,122.25 0,122.25 0,83.25 38,83.25 42,89.25 61.5,89.25 72,122.25 38,122.25 38,127.25

Small or netless copper shapes (teardrops, artwork), in the pictures only: 22 on Top

## Text on the board
B.Silkscreen: Board 1 / Rev A | Board 3 / Rev A | Board 2 / Rev A
F.Silkscreen: GO AHEAD | PEE
